# KiCad board pcb.kicad_pcb (continued)
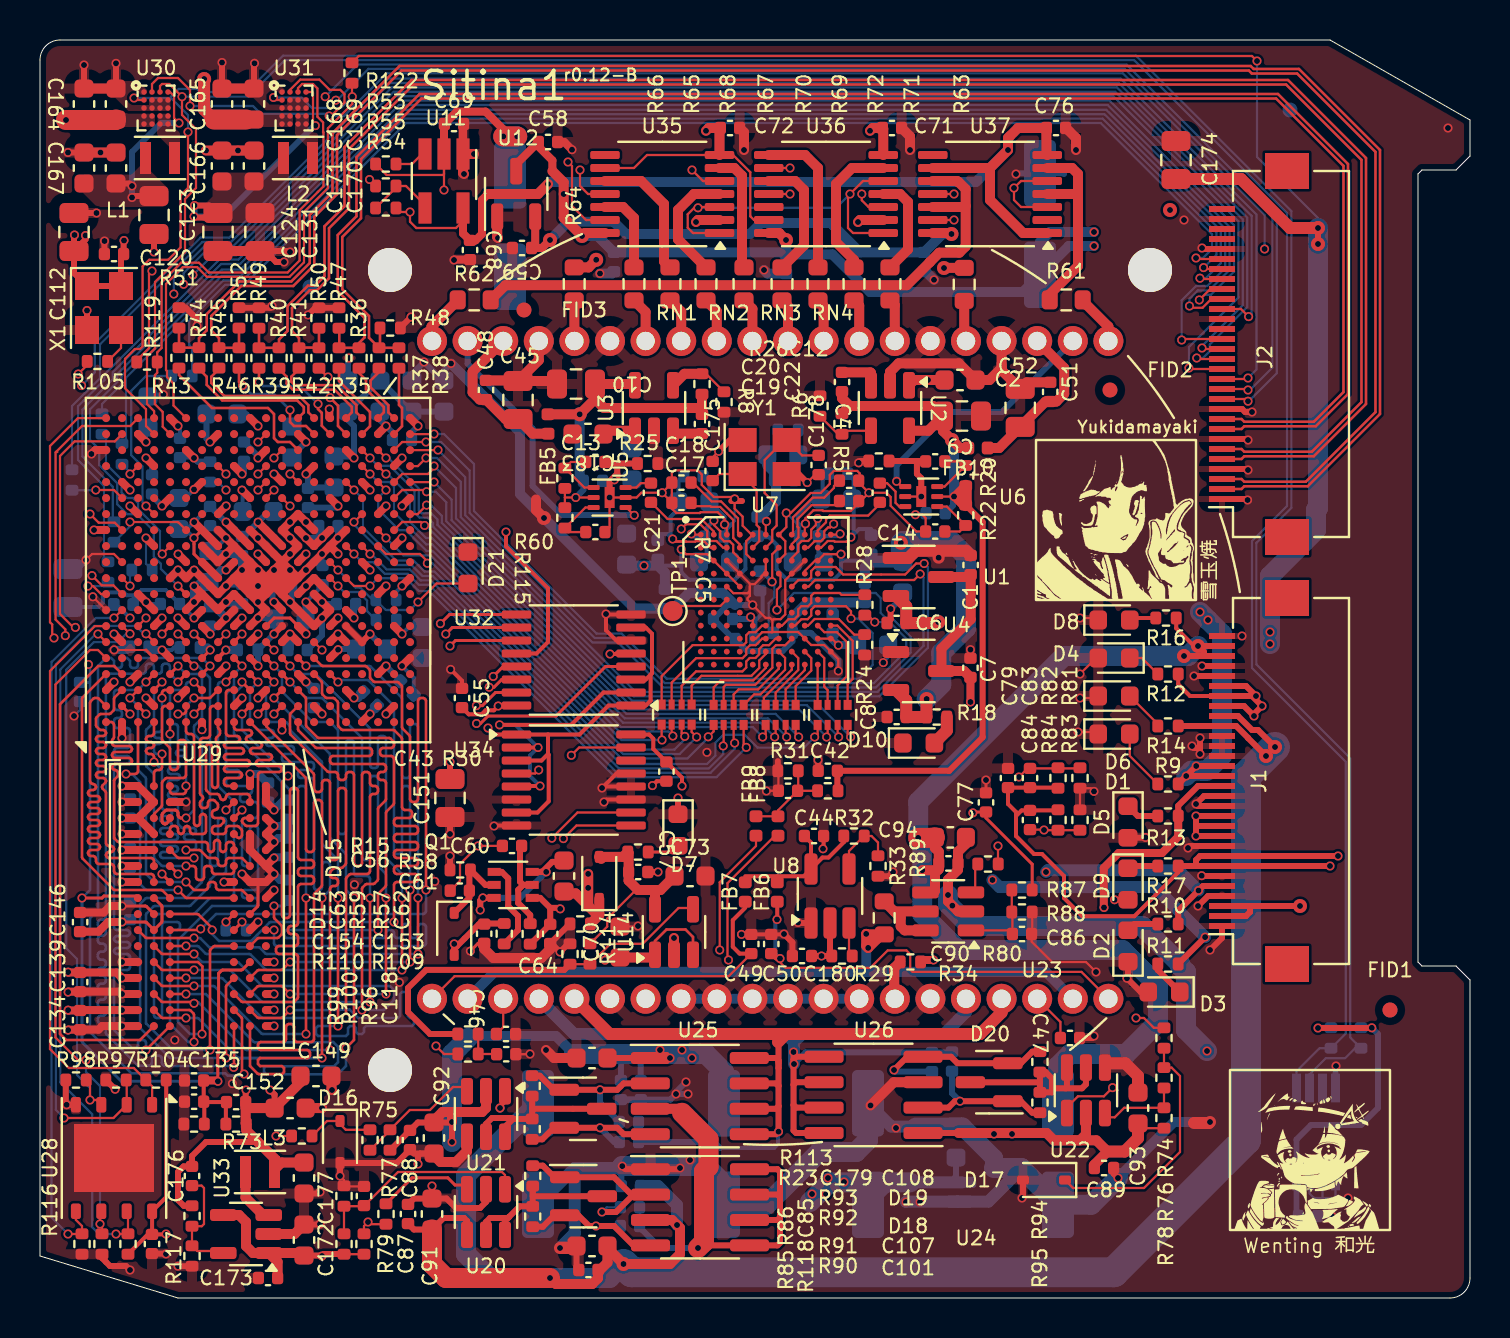
[diagram p0: board, top side]
## Routing (per net, layer and track width the routed paths; a pad name or vN(x,y) marks a point on that pad's centre or on a via; arc(x,y) is an arc through that point) (continued)
  Bottom w0.127: v1(7.7,17.2) 8.07,16.83 arc(8.1,16.81) 8.14,16.8 9.86,16.8 arc(9.9,16.79) 9.93,16.77 11.07,15.63 arc(11.1,15.61) 11.14,15.6 17.46,15.6 arc(17.5,15.59) 17.53,15.57 17.67,15.43 arc(17.69,15.4) 17.7,15.36 17.7,14.94 arc(17.69,14.9) 17.67,14.87 17.23,14.43 arc(17.2,14.41) 17.16,14.4 v1(16.1,14.4)
/fpga_ddr/DRAM_DATA0: length 15.9
  Top w0.127: 4.9,30.4 v1(4.5,30) ; v1(7.3,20.8) 7.67,20.43 arc(7.7,20.41) 7.74,20.4 8.26,20.4 arc(8.3,20.41) 8.33,20.43 8.37,20.47 arc(8.39,20.5) 8.4,20.54 8.4,20.66 arc(8.41,20.7) 8.43,20.73 8.47,20.77 arc(8.5,20.79) 8.54,20.8 8.66,20.8 arc(8.7,20.79) 8.73,20.77 8.77,20.73 arc(8.79,20.7) 8.8,20.66 8.8,20.54 arc(8.81,20.5) 8.83,20.47 8.87,20.43 arc(8.9,20.41) 8.94,20.4 10.06,20.4 arc(10.1,20.39) 10.13,20.37 10.5,20
  Bottom w0.127: v1(7.3,20.8) 5.74,20.8 arc(5.7,20.81) 5.67,20.83 5.33,21.17 arc(5.31,21.2) 5.3,21.24 5.3,25.96 arc(5.29,26) 5.27,26.03 4.93,26.37 arc(4.91,26.4) 4.9,26.44 4.9,29.56 arc(4.89,29.6) 4.87,29.63 v1(4.5,30)
/fpga_ddr/DRAM_DATA1: length 15.8
  Top w0.127: 4.1,30.4 3.73,30.03 arc(3.71,30) 3.7,29.96 3.7,29.44 arc(3.69,29.4) 3.67,29.37 3.53,29.23 arc(3.5,29.21) 3.46,29.2 3.04,29.2 arc(3,29.19) 2.97,29.17 2.83,29.03 arc(2.81,29) 2.8,28.96 2.8,28.64 arc(2.81,28.6) 2.83,28.57 2.97,28.43 arc(3,28.41) 3.04,28.4 3.16,28.4 arc(3.2,28.39) 3.23,28.37 3.27,28.33 arc(3.29,28.3) 3.3,28.26 3.3,28.24 arc(3.29,28.2) 3.27,28.17 3.23,28.13 arc(3.2,28.11) 3.16,28.1 2.94,28.1 arc(2.9,28.09) 2.87,28.07 2.83,28.03 arc(2.81,28) 2.8,27.96 2.8,27.94 arc(2.81,27.9) 2.83,27.87 2.87,27.83 arc(2.9,27.81) 2.94,27.8 3.16,27.8 arc(3.2,27.79) 3.23,27.77 3.27,27.73 arc(3.29,27.7) 3.3,27.66 3.3,27.64 arc(3.29,27.6) 3.27,27.57 3.23,27.53 arc(3.2,27.51) 3.16,27.5 2.94,27.5 arc(2.9,27.49) 2.87,27.47 2.83,27.43 arc(2.81,27.4) 2.8,27.36 2.8,27.34 arc(2.81,27.3) 2.83,27.27 2.87,27.23 arc(2.9,27.21) 2.94,27.2 3.16,27.2 arc(3.2,27.19) 3.23,27.17 3.27,27.13 arc(3.29,27.1) 3.3,27.06 3.3,27.04 arc(3.29,27) 3.27,26.97 3.23,26.93 arc(3.2,26.91) 3.16,26.9 2.94,26.9 arc(2.9,26.89) 2.87,26.87 2.83,26.83 arc(2.81,26.8) 2.8,26.76 2.8,26.74 arc(2.81,26.7) 2.83,26.67 2.87,26.63 arc(2.9,26.61) 2.94,26.6 3.16,26.6 arc(3.2,26.59) 3.23,26.57 3.27,26.53 arc(3.29,26.5) 3.3,26.46 3.3,26.44 arc(3.29,26.4) 3.27,26.37 3.23,26.33 arc(3.2,26.31) 3.16,26.3 2.94,26.3 arc(2.9,26.29) 2.87,26.27 2.83,26.23 arc(2.81,26.2) 2.8,26.16 2.8,26.14 arc(2.81,26.1) 2.83,26.07 2.87,26.03 arc(2.9,26.01) 2.94,26 3.16,26 arc(3.2,25.99) 3.23,25.97 3.27,25.93 arc(3.29,25.9) 3.3,25.86 3.3,25.84 arc(3.29,25.8) 3.27,25.77 3.13,25.63 arc(3.11,25.6) 3.1,25.56 3.1,25.54 arc(3.11,25.5) 3.13,25.47 3.27,25.33 arc(3.29,25.3) 3.3,25.26 3.3,22.74 arc(3.31,22.7) 3.33,22.67 3.37,22.63 arc(3.4,22.61) 3.44,22.6 3.56,22.6 arc(3.6,22.59) 3.63,22.57 3.67,22.53 arc(3.69,22.5) 3.7,22.46 3.7,22.44 arc(3.69,22.4) 3.67,22.37 3.63,22.33 arc(3.6,22.31) 3.56,22.3 3.44,22.3 arc(3.4,22.29) 3.37,22.27 3.33,22.23 arc(3.31,22.2) 3.3,22.16 3.3,22.14 arc(3.31,22.1) 3.33,22.07 3.37,22.03 arc(3.4,22.01) 3.44,22 5.56,22 arc(5.6,21.99) 5.63,21.97 5.67,21.93 arc(5.69,21.9) 5.7,21.86 5.7,21.6
/fpga_ddr/DRAM_DATA2: length 18
  Top w0.127: 5.7,20.8 5.7,21.06 arc(5.69,21.1) 5.67,21.13 5.63,21.17 arc(5.6,21.19) 5.56,21.2 3.84,21.2 arc(3.8,21.21) 3.77,21.23 3.73,21.27 arc(3.71,21.3) 3.7,21.34 3.7,21.56 arc(3.69,21.6) 3.67,21.63 3.63,21.67 arc(3.6,21.69) 3.56,21.7 2.94,21.7 arc(2.9,21.71) 2.87,21.73 2.83,21.77 arc(2.81,21.8) 2.8,21.84 2.8,21.96 arc(2.79,22) 2.77,22.03 2.73,22.07 arc(2.7,22.09) 2.66,22.1 2.54,22.1 arc(2.5,22.11) 2.47,22.13 2.43,22.17 arc(2.41,22.2) 2.4,22.24 2.4,22.26 arc(2.41,22.3) 2.43,22.33 2.47,22.37 arc(2.5,22.39) 2.54,22.4 2.86,22.4 arc(2.9,22.41) 2.93,22.43 2.97,22.47 arc(2.99,22.5) 3,22.54 3,22.56 arc(2.99,22.6) 2.97,22.63 2.93,22.67 arc(2.9,22.69) 2.86,22.7 2.54,22.7 arc(2.5,22.71) 2.47,22.73 2.43,22.77 arc(2.41,22.8) 2.4,22.84 2.4,22.86 arc(2.41,22.9) 2.43,22.93 2.47,22.97 arc(2.5,22.99) 2.54,23 2.86,23 arc(2.9,23.01) 2.93,23.03 2.97,23.07 arc(2.99,23.1) 3,23.14 3,23.16 arc(2.99,23.2) 2.97,23.23 2.93,23.27 arc(2.9,23.29) 2.86,23.3 2.54,23.3 arc(2.5,23.31) 2.47,23.33 2.43,23.37 arc(2.41,23.4) 2.4,23.44 2.4,23.46 arc(2.41,23.5) 2.43,23.53 2.47,23.57 arc(2.5,23.59) 2.54,23.6 2.86,23.6 arc(2.9,23.61) 2.93,23.63 2.97,23.67 arc(2.99,23.7) 3,23.74 3,23.76 arc(2.99,23.8) 2.97,23.83 2.93,23.87 arc(2.9,23.89) 2.86,23.9 2.54,23.9 arc(2.5,23.91) 2.47,23.93 2.43,23.97 arc(2.41,24) 2.4,24.04 2.4,24.06 arc(2.41,24.1) 2.43,24.13 2.47,24.17 arc(2.5,24.19) 2.54,24.2 2.86,24.2 arc(2.9,24.21) 2.93,24.23 2.97,24.27 arc(2.99,24.3) 3,24.34 3,24.36 arc(2.99,24.4) 2.97,24.43 2.93,24.47 arc(2.9,24.49) 2.86,24.5 2.54,24.5 arc(2.5,24.51) 2.47,24.53 2.43,24.57 arc(2.41,24.6) 2.4,24.64 2.4,24.66 arc(2.41,24.7) 2.43,24.73 2.47,24.77 arc(2.5,24.79) 2.54,24.8 2.86,24.8 arc(2.9,24.81) 2.93,24.83 2.97,24.87 arc(2.99,24.9) 3,24.94 3,24.96 arc(2.99,25) 2.97,25.03 2.93,25.07 arc(2.9,25.09) 2.86,25.1 2.54,25.1 arc(2.5,25.11) 2.47,25.13 2.43,25.17 arc(2.41,25.2) 2.4,25.24 2.4,25.26 arc(2.41,25.3) 2.43,25.33 2.47,25.37 arc(2.5,25.39) 2.54,25.4 2.66,25.4 arc(2.7,25.41) 2.73,25.43 2.77,25.47 arc(2.79,25.5) 2.8,25.54 2.8,25.56 arc(2.79,25.6) 2.77,25.63 2.73,25.67 arc(2.7,25.69) 2.66,25.7 2.64,25.7 arc(2.6,25.71) 2.57,25.73 2.53,25.77 arc(2.51,25.8) 2.5,25.84 2.5,29.76 arc(2.51,29.8) 2.53,29.83 2.67,29.97 arc(2.7,29.99) 2.74,30 2.86,30 arc(2.9,29.99) 2.93,29.97 3.3,29.6
/fpga_ddr/DRAM_DATA3: length 14.9
  Top w0.127: 6.5,20 6.13,20.37 arc(6.1,20.39) 6.06,20.4 3.74,20.4 arc(3.7,20.41) 3.67,20.43 2.13,21.97 arc(2.11,22) 2.1,22.04 2.1,29.96 arc(2.11,30) 2.13,30.03 3.3,31.2
/fpga_ddr/DRAM_DATA4: length 15.7
  Top w0.127: v1(7.3,21.6) 7.66,21.6 arc(7.7,21.59) 7.73,21.57 7.77,21.53 arc(7.79,21.5) 7.8,21.46 7.8,21.04 arc(7.81,21) 7.83,20.97 7.87,20.93 arc(7.9,20.91) 7.94,20.9 8.06,20.9 arc(8.1,20.91) 8.13,20.93 8.17,20.97 arc(8.19,21) 8.2,21.04 8.2,21.46 arc(8.21,21.5) 8.23,21.53 8.27,21.57 arc(8.3,21.59) 8.34,21.6 8.46,21.6 arc(8.5,21.59) 8.53,21.57 8.57,21.53 arc(8.59,21.5) 8.6,21.46 8.6,21.34 arc(8.61,21.3) 8.63,21.27 8.67,21.23 arc(8.7,21.21) 8.74,21.2 9.56,21.2 arc(9.6,21.21) 9.63,21.23 9.67,21.27 arc(9.69,21.3) 9.7,21.34 9.7,21.6 ; 5.7,30.4 v1(6.1,30.8)
  Bottom w0.127: v1(7.3,21.6) 6.14,21.6 arc(6.1,21.61) 6.07,21.63 5.73,21.97 arc(5.71,22) 5.7,22.04 5.7,26.16 arc(5.69,26.2) 5.67,26.23 5.33,26.57 arc(5.31,26.6) 5.3,26.64 5.3,28.36 arc(5.31,28.4) 5.33,28.43 5.67,28.77 arc(5.69,28.8) 5.7,28.84 5.7,30.36 arc(5.71,30.4) 5.73,30.43 v1(6.1,30.8)
/fpga_ddr/DRAM_DATA5: length 15.8
  Top w0.127: v1(5.7,26.8) 5.7,27.06 arc(5.69,27.1) 5.67,27.13 5.63,27.17 arc(5.6,27.19) 5.56,27.2 5.44,27.2 arc(5.4,27.21) 5.37,27.23 5.33,27.27 arc(5.31,27.3) 5.3,27.34 5.3,27.36 arc(5.31,27.4) 5.33,27.43 5.37,27.47 arc(5.4,27.49) 5.44,27.5 5.56,27.5 arc(5.6,27.51) 5.63,27.53 5.67,27.57 arc(5.69,27.6) 5.7,27.64 5.7,27.66 arc(5.69,27.7) 5.67,27.73 5.63,27.77 arc(5.6,27.79) 5.56,27.8 5.44,27.8 arc(5.4,27.81) 5.37,27.83 5.33,27.87 arc(5.31,27.9) 5.3,27.94 5.3,27.96 arc(5.31,28) 5.33,28.03 5.37,28.07 arc(5.4,28.09) 5.44,28.1 5.56,28.1 arc(5.6,28.11) 5.63,28.13 5.67,28.17 arc(5.69,28.2) 5.7,28.24 5.7,28.8 ; v1(7.7,22) 6.94,22 arc(6.9,22.01) 6.87,22.03 6.5,22.4
  Bottom w0.127: v1(5.7,26.8) 6.07,26.43 arc(6.09,26.4) 6.1,26.36 6.1,24.54 arc(6.11,24.5) 6.13,24.47 6.17,24.43 arc(6.2,24.41) 6.24,24.4 6.46,24.4 arc(6.5,24.39) 6.53,24.37 6.57,24.33 arc(6.59,24.3) 6.6,24.26 6.6,24.24 arc(6.59,24.2) 6.57,24.17 6.53,24.13 arc(6.5,24.11) 6.46,24.1 6.14,24.1 arc(6.1,24.09) 6.07,24.07 6.03,24.03 arc(6.01,24) 6,23.96 6,23.94 arc(6.01,23.9) 6.03,23.87 6.07,23.83 arc(6.1,23.81) 6.14,23.8 6.46,23.8 arc(6.5,23.79) 6.53,23.77 6.57,23.73 arc(6.59,23.7) 6.6,23.66 6.6,23.64 arc(6.59,23.6) 6.57,23.57 6.53,23.53 arc(6.5,23.51) 6.46,23.5 6.14,23.5 arc(6.1,23.49) 6.07,23.47 6.03,23.43 arc(6.01,23.4) 6,23.36 6,23.34 arc(6.01,23.3) 6.03,23.27 6.07,23.23 arc(6.1,23.21) 6.14,23.2 6.76,23.2 arc(6.8,23.19) 6.83,23.17 6.87,23.13 arc(6.89,23.1) 6.9,23.06 6.9,23.04 arc(6.89,23) 6.87,22.97 6.83,22.93 arc(6.8,22.91) 6.76,22.9 6.14,22.9 arc(6.1,22.89) 6.07,22.87 6.03,22.83 arc(6.01,22.8) 6,22.76 6,22.74 arc(6.01,22.7) 6.03,22.67 6.07,22.63 arc(6.1,22.61) 6.14,22.6 6.76,22.6 arc(6.8,22.59) 6.83,22.57 6.87,22.53 arc(6.89,22.5) 6.9,22.46 6.9,22.44 arc(6.89,22.4) 6.87,22.37 6.83,22.33 arc(6.8,22.31) 6.76,22.3 6.14,22.3 arc(6.1,22.29) 6.07,22.27 6.03,22.23 arc(6.01,22.2) 6,22.16 6,22.14 arc(6.01,22.1) 6.03,22.07 6.07,22.03 arc(6.1,22.01) 6.14,22 v1(7.7,22)
/fpga_ddr/DRAM_DATA6: length 14.1
  Top w0.127: v1(6.9,20.4) 7.27,20.03 arc(7.3,20.01) 7.34,20 9.7,20 ; v1(4.3,26.2) 4.76,26.2 arc(4.8,26.21) 4.83,26.23 4.87,26.27 arc(4.89,26.3) 4.9,26.34 4.9,28.8
  Bottom w0.127: v1(6.9,20.4) 5.34,20.4 arc(5.3,20.41) 5.27,20.43 5,20.7 5,25.8 4.63,26.17 4.53,26.17 arc(4.5,26.19) 4.46,26.2 v1(4.3,26.2)
/fpga_ddr/DRAM_DATA7: length 15.4
  Top w0.127: v1(7.3,22.4) 7.96,22.4 arc(8,22.39) 8.03,22.37 8.37,22.03 arc(8.4,22.01) 8.44,22 8.76,22 arc(8.8,21.99) 8.83,21.97 8.87,21.93 arc(8.89,21.9) 8.9,21.86 8.9,21.74 arc(8.91,21.7) 8.93,21.67 8.97,21.63 arc(9,21.61) 9.04,21.6 9.16,21.6 arc(9.2,21.61) 9.23,21.63 9.27,21.67 arc(9.29,21.7) 9.3,21.74 9.3,21.86 arc(9.31,21.9) 9.33,21.93 9.37,21.97 arc(9.4,21.99) 9.44,22 10.06,22 arc(10.1,21.99) 10.13,21.97 10.5,21.6 ; 6.5,28.8 v1(6.5,28.2)
  Bottom w0.127: v1(6.5,28.2) 6.5,26.94 arc(6.51,26.9) 6.53,26.87 6.57,26.83 arc(6.6,26.81) 6.64,26.8 6.86,26.8 arc(6.9,26.79) 6.93,26.77 6.97,26.73 arc(6.99,26.7) 7,26.66 7,26.64 arc(6.99,26.6) 6.97,26.57 6.93,26.53 arc(6.9,26.51) 6.86,26.5 6.54,26.5 arc(6.5,26.49) 6.47,26.47 6.43,26.43 arc(6.41,26.4) 6.4,26.36 6.4,26.34 arc(6.41,26.3) 6.43,26.27 6.47,26.23 arc(6.5,26.21) 6.54,26.2 6.86,26.2 arc(6.9,26.19) 6.93,26.17 6.97,26.13 arc(6.99,26.1) 7,26.06 7,26.04 arc(6.99,26) 6.97,25.97 6.93,25.93 arc(6.9,25.91) 6.86,25.9 6.54,25.9 arc(6.5,25.89) 6.47,25.87 6.43,25.83 arc(6.41,25.8) 6.4,25.76 6.4,25.74 arc(6.41,25.7) 6.43,25.67 6.47,25.63 arc(6.5,25.61) 6.54,25.6 6.76,25.6 arc(6.8,25.59) 6.83,25.57 6.87,25.53 arc(6.89,25.5) 6.9,25.46 6.9,25.44 arc(6.89,25.4) 6.87,25.37 6.83,25.33 arc(6.8,25.31) 6.76,25.3 6.54,25.3 arc(6.5,25.29) 6.47,25.27 6.43,25.23 arc(6.41,25.2) 6.4,25.16 6.4,25.14 arc(6.41,25.1) 6.43,25.07 6.47,25.03 arc(6.5,25.01) 6.54,25 6.76,25 arc(6.8,24.99) 6.83,24.97 6.87,24.93 arc(6.89,24.9) 6.9,24.86 6.9,23.74 arc(6.91,23.7) 6.93,23.67 7.07,23.53 arc(7.1,23.51) 7.14,23.5 7.66,23.5 arc(7.7,23.49) 7.73,23.47 7.77,23.43 arc(7.79,23.4) 7.8,23.36 7.8,23.34 arc(7.79,23.3) 7.77,23.27 7.73,23.23 arc(7.7,23.21) 7.66,23.2 7.34,23.2 arc(7.3,23.19) 7.27,23.17 7.23,23.13 arc(7.21,23.1) 7.2,23.06 7.2,23.04 arc(7.21,23) 7.23,22.97 7.27,22.93 arc(7.3,22.91) 7.34,22.9 7.66,22.9 arc(7.7,22.89) 7.73,22.87 7.77,22.83 arc(7.79,22.8) 7.8,22.76 7.8,22.54 arc(7.79,22.5) 7.77,22.47 7.73,22.43 arc(7.7,22.41) 7.66,22.4 v1(7.3,22.4)
/fpga_ddr/DRAM_DATA8: length 10.8
  Top w0.127: 6.5,29.6 6.24,29.6 arc(6.2,29.59) 6.17,29.57 6.13,29.53 arc(6.11,29.5) 6.1,29.46 6.1,27.94 arc(6.11,27.9) 6.13,27.87 6.47,27.53 arc(6.49,27.5) 6.5,27.46 6.5,26.54 arc(6.51,26.5) 6.53,26.47 6.57,26.43 arc(6.6,26.41) 6.64,26.4 6.76,26.4 arc(6.8,26.41) 6.83,26.43 6.87,26.47 arc(6.89,26.5) 6.9,26.54 6.9,27.76 arc(6.91,27.8) 6.93,27.83 6.97,27.87 arc(7,27.89) 7.04,27.9 7.16,27.9 arc(7.2,27.89) 7.23,27.87 7.27,27.83 arc(7.29,27.8) 7.3,27.76 7.3,26.14 arc(7.29,26.1) 7.27,26.07 7.23,26.03 arc(7.2,26.01) 7.16,26 6.34,26 arc(6.3,25.99) 6.27,25.97 6.13,25.83 arc(6.11,25.8) 6.1,25.76 6.1,24.64 arc(6.09,24.6) 6.07,24.57 5.73,24.23 arc(5.71,24.2) 5.7,24.16 5.7,24
/fpga_ddr/DRAM_DATA9: length 6.5
  Top w0.127: 5.7,25.6 5.7,26.26 arc(5.71,26.3) 5.73,26.33 5.77,26.37 arc(5.8,26.39) 5.84,26.4 5.96,26.4 arc(6,26.41) 6.03,26.43 6.07,26.47 arc(6.09,26.5) 6.1,26.54 v1(6.1,27.2) ; v1(6.1,30) 6.1,30.26 arc(6.11,30.3) 6.13,30.33 6.17,30.37 arc(6.2,30.39) 6.24,30.4 6.5,30.4
  Bottom w0.127: v1(6.1,30) 6.1,28.44 arc(6.09,28.4) 6.07,28.37 6.03,28.33 arc(6,28.31) 5.96,28.3 5.84,28.3 arc(5.8,28.29) 5.77,28.27 5.73,28.23 arc(5.71,28.2) 5.7,28.16 5.7,28.14 arc(5.71,28.1) 5.73,28.07 5.77,28.03 arc(5.8,28.01) 5.84,28 5.96,28 arc(6,27.99) 6.03,27.97 6.07,27.93 arc(6.09,27.9) 6.1,27.86 6.1,27.84 arc(6.09,27.8) 6.07,27.77 6.03,27.73 arc(6,27.71) 5.96,27.7 5.84,27.7 arc(5.8,27.69) 5.77,27.67 5.73,27.63 arc(5.71,27.6) 5.7,27.56 5.7,27.34 arc(5.71,27.3) 5.73,27.27 5.77,27.23 arc(5.8,27.21) 5.84,27.2 v1(6.1,27.2)
/fpga_ddr/DRAM_DATA10: length 9.4
  Top w0.127: 6.5,25.6 6.5,25.34 arc(6.51,25.3) 6.53,25.27 6.57,25.23 arc(6.6,25.21) 6.64,25.2 7.16,25.2 arc(7.2,25.21) 7.23,25.23 7.27,25.27 arc(7.29,25.3) 7.3,25.34 v1(7.3,25.6) ; v1(7.7,30.8) 8.1,30.4
  Bottom w0.127: v1(7.3,25.6) 7.3,26.96 arc(7.29,27) 7.27,27.03 7.23,27.07 arc(7.2,27.09) 7.16,27.1 6.94,27.1 arc(6.9,27.11) 6.87,27.13 6.83,27.17 arc(6.81,27.2) 6.8,27.24 6.8,27.26 arc(6.81,27.3) 6.83,27.33 6.87,27.37 arc(6.9,27.39) 6.94,27.4 7.16,27.4 arc(7.2,27.41) 7.23,27.43 7.27,27.47 arc(7.29,27.5) 7.3,27.54 7.3,27.56 arc(7.29,27.6) 7.27,27.63 7.23,27.67 arc(7.2,27.69) 7.16,27.7 7.04,27.7 arc(7,27.71) 6.97,27.73 6.93,27.77 arc(6.91,27.8) 6.9,27.84 6.9,28.56 arc(6.89,28.6) 6.87,28.63 6.83,28.67 arc(6.8,28.69) 6.76,28.7 6.64,28.7 arc(6.6,28.71) 6.57,28.73 6.53,28.77 arc(6.51,28.8) 6.5,28.84 6.5,30.16 arc(6.51,30.2) 6.53,30.23 6.67,30.37 arc(6.7,30.39) 6.74,30.4 7.16,30.4 arc(7.2,30.41) 7.23,30.43 7.27,30.47 arc(7.29,30.5) 7.3,30.54 7.3,30.66 arc(7.31,30.7) 7.33,30.73 7.37,30.77 arc(7.4,30.79) 7.44,30.8 v1(7.7,30.8)
/fpga_ddr/DRAM_DATA11: length 10.3
  Top w0.127: 8.9,30.4 8.53,30.03 arc(8.5,30.01) 8.46,30 v1(7.7,30)
  Top w0.15: 6.5,23.9 6.33,23.73 arc(6.3,23.71) 6.26,23.7 6.24,23.7 arc(6.2,23.71) 6.17,23.73 6.13,23.77 arc(6.11,23.8) 6.1,23.84 6.1,24.16 arc(6.11,24.2) 6.13,24.23 6.27,24.37 arc(6.3,24.39) 6.34,24.4 6.76,24.4 arc(6.8,24.39) 6.83,24.37 6.87,24.33 arc(6.89,24.3) 6.9,24.26 6.9,24.14 arc(6.91,24.1) 6.93,24.07 6.97,24.03 arc(7,24.01) 7.04,24 v1(7.3,24)
  Bottom w0.127: v1(7.7,30) 7.33,29.63 7.32,29.62 7.3,29.58 7.3,29.58 7.3,27.96 7.7,27.56 7.7,24.4 v1(7.3,24)
/fpga_ddr/DRAM_DATA12: length 12.4
  Top w0.127: 9.7,30.4 9.44,30.4 arc(9.4,30.39) 9.37,30.37 9.33,30.33 arc(9.31,30.3) 9.3,30.26 9.3,28.24 arc(9.31,28.2) 9.33,28.17 9.37,28.13 arc(9.4,28.11) 9.44,28.1 9.86,28.1 arc(9.9,28.09) 9.93,28.07 9.97,28.03 arc(9.99,28) 10,27.96 10,27.94 arc(9.99,27.9) 9.97,27.87 9.93,27.83 arc(9.9,27.81) 9.86,27.8 9.34,27.8 arc(9.3,27.79) 9.27,27.77 9.23,27.73 arc(9.21,27.7) 9.2,27.66 9.2,27.64 arc(9.21,27.6) 9.23,27.57 9.27,27.53 arc(9.3,27.51) 9.34,27.5 10.06,27.5 arc(10.1,27.49) 10.13,27.47 10.17,27.43 arc(10.19,27.4) 10.2,27.36 10.2,27.34 arc(10.19,27.3) 10.17,27.27 10.13,27.23 arc(10.1,27.21) 10.06,27.2 9.34,27.2 arc(9.3,27.19) 9.27,27.17 9.23,27.13 arc(9.21,27.1) 9.2,27.06 9.2,27.04 arc(9.21,27) 9.23,26.97 9.27,26.93 arc(9.3,26.91) 9.34,26.9 10.36,26.9 arc(10.4,26.89) 10.43,26.87 10.47,26.83 arc(10.49,26.8) 10.5,26.76 10.5,26.74 arc(10.49,26.7) 10.47,26.67 10.43,26.63 arc(10.4,26.61) 10.36,26.6 9.34,26.6 arc(9.3,26.59) 9.27,26.57 9.23,26.53 arc(9.21,26.5) 9.2,26.46 9.2,26.44 arc(9.21,26.4) 9.23,26.37 9.27,26.33 arc(9.3,26.31) 9.34,26.3 9.96,26.3 arc(10,26.29) 10.03,26.27 10.07,26.23 arc(10.09,26.2) 10.1,26.16 10.1,26.14 arc(10.09,26.1) 10.07,26.07 10.03,26.03 arc(10,26.01) 9.96,26 9.34,26 arc(9.3,25.99) 9.27,25.97 9.23,25.93 arc(9.21,25.9) 9.2,25.86 9.2,25.74 arc(9.21,25.7) 9.23,25.67 9.27,25.63 arc(9.3,25.61) 9.34,25.6 9.7,25.6
/fpga_ddr/DRAM_DATA13: length 12.2
  Top w0.127: 8.9,29.6 8.64,29.6 arc(8.6,29.59) 8.57,29.57 8.53,29.53 arc(8.51,29.5) 8.5,29.46 8.5,28.14 arc(8.49,28.1) 8.47,28.07 8.43,28.03 arc(8.4,28.01) 8.36,28 8.14,28 arc(8.1,27.99) 8.07,27.97 8.03,27.93 arc(8.01,27.9) 8,27.86 8,25.24 arc(8.01,25.2) 8.03,25.17 8.13,25.07 arc(8.16,25) 8.13,24.93 8.03,24.83 arc(8.01,24.8) 8,24.76 8,24.64 arc(8.01,24.6) 8.03,24.57 8.07,24.53 arc(8.1,24.51) 8.14,24.5 8.26,24.5 arc(8.3,24.51) 8.33,24.53 8.37,24.57 arc(8.39,24.6) 8.4,24.64 8.4,24.76 arc(8.41,24.8) 8.43,24.83 8.47,24.87 arc(8.5,24.89) 8.54,24.9 8.66,24.9 arc(8.7,24.89) 8.73,24.87 8.87,24.73 arc(8.89,24.7) 8.9,24.66 8.9,24.54 arc(8.89,24.5) 8.87,24.47 8.83,24.43 arc(8.8,24.41) 8.76,24.4 8.74,24.4 arc(8.7,24.39) 8.67,24.37 8.63,24.33 arc(8.61,24.3) 8.6,24.26 8.6,24.14 arc(8.61,24.1) 8.63,24.07 8.67,24.03 arc(8.7,24.01) 8.74,24 9.06,24 arc(9.1,23.99) 9.13,23.97 9.17,23.93 arc(9.19,23.9) 9.2,23.86 9.2,23.84 arc(9.19,23.8) 9.17,23.77 9.03,23.63 arc(9,23.61) 8.96,23.6 8.74,23.6 arc(8.7,23.59) 8.67,23.57 8.63,23.53 arc(8.61,23.5) 8.6,23.46 8.6,23.34 arc(8.61,23.3) 8.63,23.27 8.67,23.23 arc(8.7,23.21) 8.74,23.2 9.16,23.2 arc(9.2,23.21) 9.23,23.23 9.27,23.27 arc(9.29,23.3) 9.3,23.34 9.3,23.46 arc(9.31,23.5) 9.33,23.53 9.37,23.57 arc(9.4,23.59) 9.44,23.6 9.86,23.6 arc(9.9,23.59) 9.93,23.57 10.07,23.43 arc(10.09,23.4) 10.1,23.36 10.1,23.14 arc(10.09,23.1) 10.07,23.07 10.03,23.03 arc(10,23.01) 9.96,23 9.94,23 arc(9.9,23.01) 9.87,23.03 9.7,23.2
/fpga_ddr/DRAM_DATA14: length 11.2
  Top w0.127: 8.9,28.8 8.9,28.54 arc(8.91,28.5) 8.93,28.47 8.97,28.43 arc(8.99,28.4) 9,28.36 9,28.24 arc(8.99,28.2) 8.97,28.17 8.83,28.03 arc(8.81,28) 8.8,27.96 8.8,27.84 arc(8.81,27.8) 8.83,27.77 8.87,27.73 arc(8.89,27.7) 8.9,27.66 8.9,25.64 arc(8.89,25.6) 8.87,25.57 8.83,25.53 arc(8.8,25.51) 8.76,25.5 8.74,25.5 arc(8.7,25.51) 8.67,25.53 8.63,25.57 arc(8.61,25.6) 8.6,25.64 8.6,27.56 arc(8.59,27.6) 8.57,27.63 8.53,27.67 arc(8.5,27.69) 8.46,27.7 8.44,27.7 arc(8.4,27.69) 8.37,27.67 8.33,27.63 arc(8.31,27.6) 8.3,27.56 8.3,25.44 arc(8.31,25.4) 8.33,25.37 8.47,25.23 arc(8.5,25.21) 8.54,25.2 8.86,25.2 arc(8.9,25.19) 8.93,25.17 8.97,25.13 arc(8.99,25.1) 9,25.06 9,25.04 arc(9.01,25) 9.03,24.97 9.07,24.93 arc(9.1,24.91) 9.14,24.9 9.16,24.9 arc(9.2,24.91) 9.23,24.93 9.27,24.97 arc(9.29,25) 9.3,25.04 9.3,25.06 arc(9.31,25.1) 9.33,25.13 9.37,25.17 arc(9.4,25.19) 9.44,25.2 10.36,25.2 arc(10.4,25.19) 10.43,25.17 10.47,25.13 arc(10.49,25.1) 10.5,25.06 10.5,24.8
/fpga_ddr/DRAM_DATA15: length 12.5
  Top w0.127: 9.7,28.8 9.7,28.54 arc(9.71,28.5) 9.73,28.47 9.77,28.43 arc(9.8,28.41) 9.84,28.4 10.46,28.4 arc(10.5,28.39) 10.53,28.37 10.57,28.33 arc(10.59,28.3) 10.6,28.26 10.6,28.24 arc(10.59,28.2) 10.57,28.17 10.53,28.13 arc(10.5,28.11) 10.46,28.1 10.44,28.1 arc(10.4,28.09) 10.37,28.07 10.33,28.03 arc(10.31,28) 10.3,27.96 10.3,27.94 arc(10.31,27.9) 10.33,27.87 10.37,27.83 arc(10.4,27.81) 10.44,27.8 10.96,27.8 arc(11,27.79) 11.03,27.77 11.07,27.73 arc(11.09,27.7) 11.1,27.66 11.1,27.64 arc(11.09,27.6) 11.07,27.57 11.03,27.53 arc(11,27.51) 10.96,27.5 10.64,27.5 arc(10.6,27.49) 10.57,27.47 10.53,27.43 arc(10.51,27.4) 10.5,27.36 10.5,27.34 arc(10.51,27.3) 10.53,27.27 10.57,27.23 arc(10.6,27.21) 10.64,27.2 11.46,27.2 arc(11.5,27.19) 11.53,27.17 11.57,27.13 arc(11.59,27.1) 11.6,27.06 11.6,27.04 arc(11.59,27) 11.57,26.97 11.53,26.93 arc(11.5,26.91) 11.46,26.9 10.94,26.9 arc(10.9,26.89) 10.87,26.87 10.83,26.83 arc(10.81,26.8) 10.8,26.76 10.8,26.74 arc(10.81,26.7) 10.83,26.67 10.87,26.63 arc(10.9,26.61) 10.94,26.6 11.96,26.6 arc(12,26.59) 12.03,26.57 12.07,26.53 arc(12.09,26.5) 12.1,26.46 12.1,26.44 arc(12.09,26.4) 12.07,26.37 12.03,26.33 arc(12,26.31) 11.96,26.3 11.04,26.3 arc(11,26.29) 10.97,26.27 10.93,26.23 arc(10.91,26.2) 10.9,26.16 10.9,23.74 arc(10.89,23.7) 10.87,23.67 10.83,23.63 arc(10.8,23.61) 10.76,23.6 10.34,23.6 arc(10.3,23.61) 10.27,23.63 10.13,23.77 arc(10.11,23.8) 10.1,23.84 10.1,23.86 arc(10.11,23.9) 10.13,23.93 10.17,23.97 arc(10.2,23.99) 10.24,24 10.5,24
/fpga_ddr/DRAM_DQM0: length 17.9
  Top w0.127: 3.3,28.8 3.56,28.8 arc(3.6,28.79) 3.63,28.77 3.67,28.73 arc(3.69,28.7) 3.7,28.66 3.7,28.04 arc(3.69,28) 3.67,27.97 3.63,27.93 arc(3.61,27.9) 3.6,27.86 3.6,27.74 arc(3.61,27.7) 3.63,27.67 3.67,27.63 arc(3.7,27.61) 3.74,27.6 4.46,27.6 arc(4.5,27.59) 4.53,27.57 4.57,27.53 arc(4.59,27.5) 4.6,27.46 4.6,27.44 arc(4.59,27.4) 4.57,27.37 4.53,27.33 arc(4.5,27.31) 4.46,27.3 3.74,27.3 arc(3.7,27.29) 3.67,27.27 3.63,27.23 arc(3.61,27.2) 3.6,27.16 3.6,27.14 arc(3.61,27.1) 3.63,27.07 3.67,27.03 arc(3.7,27.01) 3.74,27 4.46,27 arc(4.5,26.99) 4.53,26.97 4.57,26.93 arc(4.59,26.9) 4.6,26.86 4.6,26.84 arc(4.59,26.8) 4.57,26.77 4.53,26.73 arc(4.5,26.71) 4.46,26.7 3.74,26.7 arc(3.7,26.69) 3.67,26.67 3.63,26.63 arc(3.61,26.6) 3.6,26.56 3.6,26.54 arc(3.61,26.5) 3.63,26.47 3.67,26.43 arc(3.7,26.41) 3.74,26.4 3.76,26.4 arc(3.8,26.39) 3.83,26.37 3.87,26.33 arc(3.89,26.3) 3.9,26.26 3.9,26.14 arc(3.89,26.1) 3.87,26.07 3.73,25.93 arc(3.71,25.91) 3.7,25.88 3.7,25.87 3.7,23 3.72,22.99 3.73,22.97 3.87,22.83 arc(3.9,22.81) 3.94,22.8 8.26,22.8 arc(8.3,22.79) 8.33,22.77 8.37,22.73 arc(8.39,22.7) 8.4,22.66 8.4,22.44 arc(8.41,22.4) 8.43,22.37 8.47,22.33 arc(8.5,22.31) 8.54,22.3 8.56,22.3 arc(8.6,22.31) 8.63,22.33 8.67,22.37 arc(8.69,22.4) 8.7,22.44 8.7,22.76 arc(8.71,22.8) 8.73,22.83 8.77,22.87 arc(8.8,22.89) 8.84,22.9 8.86,22.9 arc(8.9,22.89) 8.93,22.87 8.97,22.83 arc(8.99,22.8) 9,22.76 9,22.44 arc(9.01,22.4) 9.03,22.37 9.07,22.33 arc(9.1,22.31) 9.14,22.3 9.16,22.3 arc(9.2,22.31) 9.23,22.33 9.27,22.37 arc(9.29,22.4) 9.3,22.44 9.3,22.66 arc(9.31,22.7) 9.33,22.73 9.37,22.77 arc(9.4,22.79) 9.44,22.8 9.56,22.8 arc(9.6,22.79) 9.63,22.77 9.67,22.73 arc(9.69,22.7) 9.7,22.66 9.7,22.4
/fpga_ddr/DRAM_DQM1: length 10.3
  Top w0.127: 7.3,28.8 7.3,28.34 arc(7.31,28.3) 7.33,28.27 7.37,28.23 arc(7.4,28.21) 7.44,28.2 7.56,28.2 arc(7.6,28.19) 7.63,28.17 7.67,28.13 arc(7.69,28.1) 7.7,28.06 7.7,23.74 arc(7.71,23.7) 7.73,23.67 7.77,23.63 arc(7.8,23.61) 7.84,23.6 7.86,23.6 arc(7.9,23.61) 7.93,23.63 7.97,23.67 arc(7.99,23.7) 8,23.74 8,24.06 arc(8.01,24.1) 8.03,24.13 8.07,24.17 arc(8.1,24.19) 8.14,24.2 8.16,24.2 arc(8.2,24.19) 8.23,24.17 8.27,24.13 arc(8.29,24.1) 8.3,24.06 8.3,23.34 arc(8.29,23.3) 8.27,23.27 8.23,23.23 arc(8.2,23.21) 8.16,23.2 7.64,23.2 arc(7.6,23.21) 7.57,23.23 7.53,23.27 arc(7.51,23.3) 7.5,23.34 7.5,23.46 arc(7.49,23.5) 7.47,23.53 7.43,23.57 arc(7.4,23.59) 7.36,23.6 7.34,23.6 arc(7.3,23.59) 7.27,23.57 7.23,23.53 arc(7.21,23.5) 7.2,23.46 7.2,23.34 arc(7.19,23.3) 7.17,23.27 7.13,23.23 arc(7.1,23.21) 7.06,23.2 7.04,23.2 arc(7,23.21) 6.97,23.23 6.93,23.27 arc(6.91,23.3) 6.9,23.34 6.9,23.46 arc(6.89,23.5) 6.87,23.53 6.83,23.57 arc(6.8,23.59) 6.76,23.6 6.64,23.6 arc(6.6,23.59) 6.57,23.57 6.53,23.53 arc(6.51,23.5) 6.5,23.46 6.5,23.2
/fpga_ddr/DRAM_ODT: length 39.2
  Top w0.127: 4.9,18.4 5.27,18.03 arc(5.3,18.01) 5.34,18 v1(7.7,18) ; v1(18.9,17.2) v1(18.9,20)
  Top w0.15: 12.9,32 v1(13.3,31.6)
  Bottom w0.127: v1(13.3,31.6) 16.46,31.6 arc(16.5,31.59) 16.53,31.57 18.07,30.03 arc(18.09,30) 18.1,29.96 18.1,26.14 arc(18.11,26.1) 18.13,26.07 18.17,26.03 arc(18.2,26.01) 18.24,26 18.36,26 arc(18.4,26.01) 18.43,26.03 18.47,26.07 arc(18.49,26.1) 18.5,26.14 18.5,28.56 arc(18.51,28.6) 18.53,28.63 18.57,28.67 arc(18.6,28.69) 18.64,28.7 18.76,28.7 arc(18.8,28.69) 18.83,28.67 18.87,28.63 arc(18.89,28.6) 18.9,28.56 v1(18.9,20) ; v1(7.7,18) 7.96,18 arc(8,17.99) 8.03,17.97 8.46,17.54 10.96,17.54 11.27,17.23 arc(11.3,17.21) 11.34,17.2 v1(18.9,17.2)
/fpga_ddr/DRAM_RASB: length 37.9
  Top w0.127: v1(8.6,18.4) 8.6,18.5 7.92,19.18 arc(7.89,19.2) 7.86,19.2 6.5,19.2 ; 13.7,31.2 14.07,30.83 arc(14.09,30.8) 14.1,30.76 14.1,30.24 arc(14.11,30.2) 14.13,30.17 14.27,30.03 arc(14.3,30.01) 14.34,30 14.66,30 arc(14.7,29.99) 14.73,29.97 14.87,29.83 arc(14.89,29.8) 14.9,29.76 14.9,28.64 arc(14.91,28.6) 14.93,28.57 15.07,28.43 arc(15.1,28.41) 15.14,28.4 17.66,28.4 arc(17.7,28.39) 17.73,28.37 18.07,28.03 arc(18.09,28) 18.1,27.96 18.1,24.54 arc(18.11,24.5) 18.13,24.47 18.17,24.43 arc(18.2,24.41) 18.24,24.4 18.46,24.4 arc(18.5,24.39) 18.53,24.37 18.57,24.33 arc(18.59,24.3) 18.6,24.26 18.6,24.14 arc(18.59,24.1) 18.57,24.07 18.53,24.03 arc(18.5,24.01) 18.46,24 17.84,24 arc(17.8,23.99) 17.77,23.97 17.73,23.93 arc(17.71,23.9) 17.7,23.86 17.7,23.74 arc(17.71,23.7) 17.73,23.67 17.77,23.63 arc(17.8,23.61) 17.84,23.6 18.76,23.6 arc(18.8,23.59) 18.83,23.57 18.87,23.53 arc(18.89,23.5) 18.9,23.46 18.9,23.34 arc(18.89,23.3) 18.87,23.27 18.83,23.23 arc(18.8,23.21) 18.76,23.2 17.84,23.2 arc(17.8,23.19) 17.77,23.17 17.73,23.13 arc(17.71,23.1) 17.7,23.06 17.7,22.94 arc(17.71,22.9) 17.73,22.87 17.77,22.83 arc(17.8,22.81) 17.84,22.8 18.76,22.8 arc(18.8,22.79) 18.83,22.77 18.87,22.73 arc(18.89,22.7) 18.9,22.66 18.9,22.54 arc(18.89,22.5) 18.87,22.47 18.83,22.43 arc(18.8,22.41) 18.76,22.4 17.84,22.4 arc(17.8,22.39) 17.77,22.37 17.73,22.33 arc(17.71,22.3) 17.7,22.26 17.7,22.14 arc(17.71,22.1) 17.73,22.07 17.77,22.03 arc(17.8,22.01) 17.84,22 18.76,22 arc(18.8,21.99) 18.83,21.97 18.87,21.93 arc(18.89,21.9) 18.9,21.86 18.9,21.74 arc(18.89,21.7) 18.87,21.67 18.83,21.63 arc(18.8,21.61) 18.76,21.6 17.84,21.6 arc(17.8,21.59) 17.77,21.57 17.73,21.53 arc(17.71,21.5) 17.7,21.46 17.7,21.34 arc(17.71,21.3) 17.73,21.27 17.77,21.23 arc(17.8,21.21) 17.84,21.2 18.76,21.2 arc(18.8,21.19) 18.83,21.17 18.87,21.13 arc(18.89,21.1) 18.9,21.06 18.9,20.94 arc(18.89,20.9) 18.87,20.87 18.83,20.83 arc(18.8,20.81) 18.76,20.8 17.84,20.8 arc(17.8,20.79) 17.77,20.77 17.73,20.73 arc(17.71,20.7) 17.7,20.66 v1(17.7,18.8)
  Bottom w0.127: v1(8.6,18.4) 8.6,18.2 8.95,17.85 10.56,17.85 10.85,18.14 10.85,18.15 11.47,18.77 arc(11.5,18.79) 11.54,18.8 v1(17.7,18.8)
/fpga_ddr/DRAM_RST: length 25.7
  Top w0.127: U29.T2 5,12.9 1.3,12.9 1,13.2 1,29.69 2.9,31.6 3.7,31.6 U27.B4
/fpga_ddr/DRAM_SDQSN_0: length 17.1
  Top w0.15: 4.1,29.6 v1(4.5,29.2) ; 6.5,20.8 v1(6.1,21.2)
  In2.Cu w0.127: v1(4.5,29.2) 4.76,28.94 arc(4.78,28.91) 4.79,28.87 4.79,22.49 arc(4.79,22.46) 4.81,22.42 5.02,22.21 arc(5.06,22.19) 5.09,22.19 5.5,22.19 arc(5.54,22.19) 5.57,22.21 5.79,22.43 arc(5.81,22.46) 5.81,22.5 5.81,25.31 arc(5.82,25.35) 5.84,25.38 5.92,25.46 arc(5.95,25.48) 5.99,25.49 6.21,25.49 arc(6.25,25.48) 6.28,25.46 6.36,25.38 arc(6.38,25.35) 6.39,25.31 6.39,21.53 arc(6.38,21.49) 6.36,21.46 v1(6.1,21.2)
/fpga_ddr/DRAM_SDQSN_1: length 7.1
  Top w0.127: v1(6.9,29.2) 7.16,29.2 arc(7.2,29.21) 7.23,29.23 7.27,29.27 arc(7.29,29.3) 7.3,29.34 7.3,29.6
  Top w0.15: 9.7,24.8 v1(9.3,24.4)
  In2.Cu w0.127: v1(9.3,24.4) 9.56,24.66 arc(9.58,24.69) 9.59,24.73 9.59,24.75 7.2,28.68 arc(7.19,28.7) 7.19,28.73 7.19,29.04 arc(7.18,29.08) 7.16,29.11 7.1,29.17 arc(7.07,29.19) 7.03,29.2 v1(6.9,29.2)
